# Altium PCB MiniPC.PcbDoc (part 19 of 23) (continued)
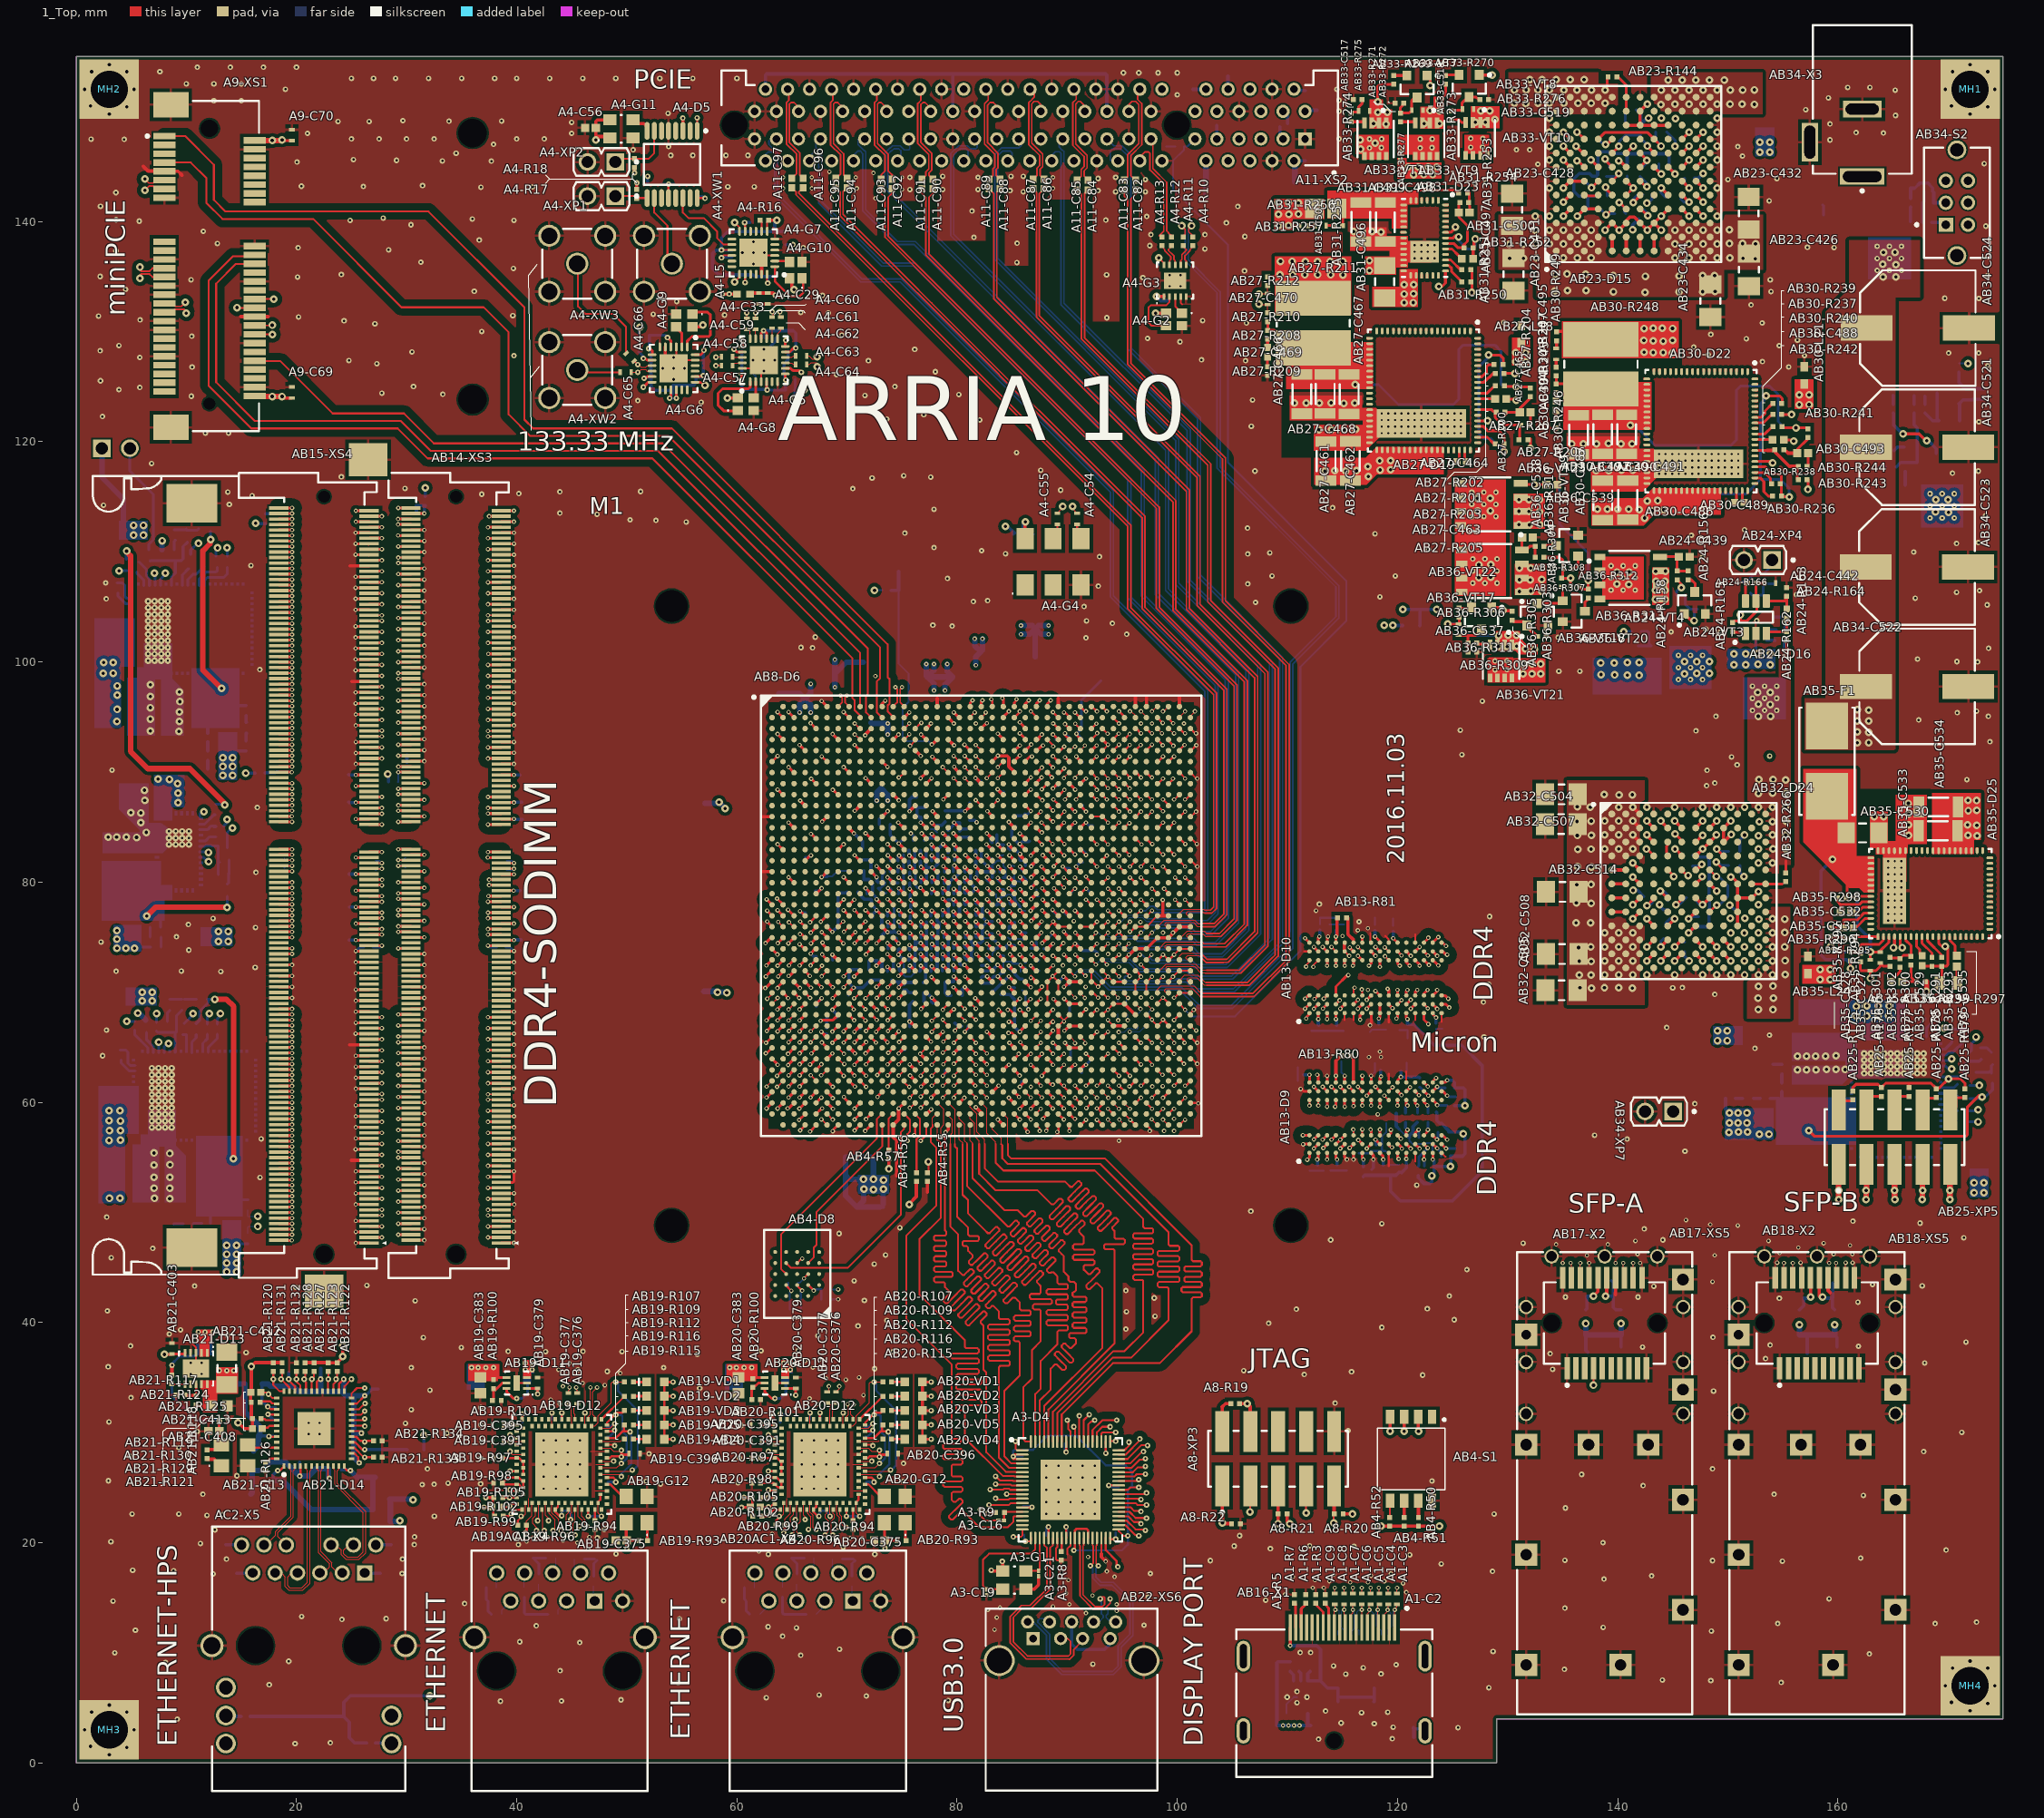
[diagram p0: 1_Top view]
## Nets (pads, with @x,y where several pads share a name; then routed paths per layer and width w, separated by ;. In a path a pad name is that pad's centre, name@x,y a point inside that pad or via, vN(x,y) a via of type N, cw(c..) or ccw(c..) an arc to the next point about the centre after c; other vN are vias at no path point) (continued)
  16_Bottom w0.2: v3(85.1,27.825) 85.1,28.325 85.2,28.425 86.9,28.425 88.2,29.725 90.8,29.725 93.5,27.025 95.3,27.025 95.9,26.425 95.9,25.025 ; v3@85.2,27.825 A3-C28.1@85.94,27.825 ; v3(90.6,19.3) 94.975,19.3 95.5,19.825 v3(95.5,20.625) 95.5,24.825 95.7,25.025 95.9,25.025 ; v3(96.5,25.025) 95.9,25.025
NetA3-D4_27: A3-D4.27 A3-R8.1 | length 1.2
  1_Top w0.2: A3-R8.1@89.5,19.225 A3-D4.27@89.5,20.425
NetA4-C30_1: A4-C30.1 A4-C34.1 A4-C39.1 A4-C43.1 A4-C47.1 A4-C51.1 A4-G5.4 A4-G5.7 A4-G5.11 A4-G5.15 A4-G5.16 A4-G5.20 A4-G5.24 A4-L1.1 | length 24.1
  1_Top w0.25: v3(59.741,128.391) 59.759,128.391 60,128.15 A4-G5.20@60.5,128.15 ; v3(60.45,125.6) 60.45,126.1 A4-G5.24@60.5,126.15 ; A4-G5.16@62.2,129.35 62.2,129.85 v3@62.45,130.1 ; v3(62.425,130.075) v3@62.45,130.1 ; A4-G5.4@62.7,125.45 62.7,124.75 v3(62.75,124.7) ; A4-G5.15@62.7,129.35 62.7,129.85 v3@62.45,130.1 ; A4-G5.7@64.4,126.15 64.4,125.65 v3(64.45,125.6) ; A4-G5.11@64.4,128.15 64.8,128.15 65.15,128.5 v3(65.35,128.5)
  16_Bottom w0.25: v3@59.75,128.4 59.95,128.2 A4-C43.1@60.45,128.2 ; v3(60.45,125.6) 60.5,125.65 A4-C47.1@60.5,126.15 ; v3@62.35,130.1 62.55,129.9 A4-C39.1@62.55,129.4 ; A4-C51.1@62.7,125.45 62.7,124.75 v3(62.75,124.7) ; v3@62.85,124.7 A4-L1.1@64.4,124.7 ; A4-C34.1@64.3,126.25 64.3,125.75 v3(64.45,125.6) ; A4-C30.1@64.65,128.2 64.95,128.2 v3@65.25,128.5
  16_Bottom w0.3: v3(60.45,125.6) 60.45,124.75 v3@62.7,124.75 ; A4-C43.1@60.45,128.2 60.45,126.2 A4-C47.1@60.5,126.15 ; v3(62.425,130.075) 65.075,130.075 65.1,130.1 65.35,129.85 v3(65.35,128.5) ; A4-C34.1@64.3,126.25 64.3,127.1 64.65,127.45 A4-C30.1@64.65,128.2 ; A4-L1.1@64.4,124.7 64.4,125.55 v3(64.45,125.6)
NetA4-C31_1: A4-C31.1 A4-C35.1 A4-C40.1 A4-C44.1 A4-C48.1 A4-C52.1 A4-G6.4 A4-G6.7 A4-G6.11 A4-G6.15 A4-G6.16 A4-G6.20 A4-G6.24 A4-L2.1 | length 24.3
  1_Top w0.25: v3(51.56,125.752) 51.56,125.69 51.6,125.65 51.85,125.9 A4-G6.11@52.3,125.9 ; v3(52,128.45) 52.1,128.45 52.3,128.25 A4-G6.7@52.3,127.9 ; v3(53.7,129.45) 54,129.15 A4-G6.4@54,128.6 ; v3(53.9,123.95) 54,124.05 A4-G6.15@54,124.7 ; v3@54.5,124.05 A4-G6.16@54.5,124.7 ; A4-G6.20@56.2,125.9 56.95,125.9 v3(56.95,126) ; A4-G6.24@56.2,127.9 56.725,127.9 57,128.175 v3(57,128.3)
  1_Top w0.3: v3@54.5,123.95 v3@54.5,124.05
  16_Bottom w0.25: v3@51.5,125.75 51.6,125.85 A4-C52.1@52.2,125.85 ; A4-C48.1@52.2,127.55 52.2,128.25 v3(52,128.45) 52.05,128.5 A4-L2.1@52.05,129.65 53.5,129.65 v3(53.7,129.45) 54,129.15 A4-C44.1@54,128.75 ; v3@53.8,123.95 54.2,124.35 54.2,124.65 ; v3(53.9,123.95) v3(54.5,123.95) ; A4-C35.1@56.3,125.85 56.8,125.85 v3@56.9,125.95 ; A4-C40.1@56.5,127.85 56.95,127.85
  16_Bottom w0.3: A4-C48.1@52.2,127.55 A4-C52.1@52.2,125.85 52.2,125 52.55,124.65 54.2,124.65 54.2,125.1 56.05,125.1 56.3,125.35 A4-C35.1@56.3,125.85 ; v3(56.95,126) 56.95,127.85 56.95,128.25 v3(57,128.3)
NetA4-C37_2: A4-C37.2 A4-C42.2 A4-G4.6 A4-L4.1 | length 4.8
  1_Top w0.3: A4-G4.6@86.17,111.2 86.17,112.67 v2(86.2,112.7)
  16_Bottom w0.3: v2(86.2,112.7) 86,112.7 85.989,112.689 A4-L4.1@85.989,111.6 ; A4-C37.2@86.36,110.7 85.989,111.07 A4-L4.1@85.989,111.6 ; A4-C42.2@86.91,111.6 A4-L4.1@85.989,111.6
NetA4-C38_2: A4-C38.2 A4-C41.2 A4-C46.2 A4-C50.2 A4-C53.2 A4-G7.7 A4-G7.15 A4-G7.24 A4-L3.1 A4-R16.1 | length 21.9
  1_Top w0.17: v3(58.6,137.4) A4-G7.15@59.545,137.4 ; A4-G7.24@62.745,135.2 62.745,134.455 v3(62.8,134.4) ; A4-G7.7@62.745,139.1 62.745,139.945 A4-R16.1@62.9,140.1
  1_Top w0.3: A4-R16.1@62.9,140.1 v2(63.625,140.1)
  16_Bottom w0.3: v3@58.6,137.3 58.7,137.4 A4-C50.2@59.6,137.4 ; v3(62.8,134.4) A4-C41.2@62.8,135 ; A4-C53.2@63.6,135 A4-C41.2@62.8,135 ; v2(63.625,140.1) 63.445,139.92 A4-C46.2@63.445,139.075 ; A4-L3.1@64.445,139.075 A4-C46.2@63.445,139.075 ; A4-C41.2@62.8,135 61.6,135 61.45,135.15 58.35,135.15 57.8,135.7 57.8,137.1 58.1,137.4 v3(58.6,137.4) 58.6,138.5 59.175,139.075 A4-C38.2@62.645,139.075 A4-C46.2@63.445,139.075
NetA4-C45_2: A4-C45.2 A4-C49.2 A4-G7.11 A4-G7.16 A4-G7.20 A4-L5.1 | length 5.4
  1_Top w0.17: v3(58.6,136.699) 58.801,136.9 A4-G7.16@59.545,136.9 ; v3(60.7,139.9) 60.745,139.855 A4-G7.11@60.745,139.1 ; v3(60.745,134.455) A4-G7.20@60.745,135.2
  1_Top w0.3: v3(58.7,133.4) v3(59.3,133.4) A4-L5.1@60,133.4
  16_Bottom w0.3: v3(58.6,136.699) 58.676,136.775 A4-C45.2@59.545,136.775 ; v3@60.7,134.5 v3(60.745,134.455) ; v3(60.7,139.9) A4-C49.2@61.175,139.9
NetA4-C65_2: A4-C65.2 A4-XW2.1 | length 4.6
  1_Top w0.17: A4-XW2.1@45,126.8 45.5,126.3 A4-C65.2@49.4,126.3
NetA4-C66_2: A4-C66.2 A4-XW3.1 | length 11.4
  1_Top w0.17: A4-XW3.1@45.5,136.16 45.575,136.085 45.575,132.275 46.25,131.6 48.75,131.6 49.946,130.404 A4-C66.2@49.946,128.029
NetA4-C68_2: A4-C68.2 A4-D5.12 A4-L6.1 | length 2.5
  1_Top w0.2: A4-D5.12@53.795,142.126 53.795,143.395 v3(53.8,143.4)
  16_Bottom w0.2: A4-L6.1@53.1,143.4 v3(53.8,143.4) A4-C68.2@54.3,143.4
NetA4-D5_1: A4-D5.1 AB8-D6.G15 | length 90.1
  1_Top w0.17: v3(56.388,149.403) 56.395,149.395 A4-D5.1@56.395,148.226
  1_Top w0.25: v6(76.683,89.428) AB8-D6.G15@77.194,89.939
  10_int9_(sign) w0.1: v3(56.388,149.403) 56.693,149.403 57.175,148.92 57.175,145.085 54.635,142.545 52.299,142.545 49.86,140.106 49.86,123.393 50.643,122.61 63.228,122.61 67.626,118.212 69.164,118.212 72.034,115.341 73.939,115.341 80.035,109.245 80.035,102.768 79.604,102.337 79.604,97.13 79.146,96.672 79.146,91.892 v6(76.683,89.428)
NetA4-D5_7: A4-D5.7 A4-R18.2 A4-XP2.1 | length 5.9
  1_Top w0.17: A4-XP2.1@48.97,145.4 49.27,145.7 A4-R18.2@50.7,145.7 52,145.7 52.495,146.195 A4-D5.7@52.495,148.226
NetA4-D5_8: A4-D5.8 A4-G11.3 | length 2
  1_Top w0.3: A4-G11.3@50.321,148.875 51.55,148.875 51.845,148.58 A4-D5.8@51.845,148.226
NetA4-D5_9: A4-D5.9 A4-R17.2 A4-XP1.1 | length 3
  1_Top w0.17: A4-XP1.1@48.97,142.3 50.7,142.3 A4-R17.2@50.9,142.1 50.926,142.126 A4-D5.9@51.845,142.126
NetA4-D5_10: A4-D5.10 A4-XW1.1 | length 6.6
  1_Top w0.17: A4-D5.10@52.495,142.126 52.495,140.805 53.7,139.6 A4-XW1.1@53.7,136
NetA4-D5_14: A4-D5.14 A4-G7.14 | length 7.3
  1_Top w0.17: A4-D5.14@55.095,142.126 55.095,140.805 55.6,140.3 57,140.3 58.2,139.1 58.2,138.5 58.8,137.9 A4-G7.14@59.545,137.9
NetA4-G2_1: A4-G2.1 A4-G3.3 | length 1.8
  1_Top w0.17: A4-G3.3@99.8,133.175 99.8,132.3 A4-G2.1@100.425,131.675
NetA4-G2_3: A4-G2.3 A4-G3.2 | length 5.7
  1_Top w0.17: A4-G2.3@98.975,130.525 97.675,130.525 97.4,130.8 97.4,132.2 97.6,132.4 99,132.4 99.3,132.7 A4-G3.2@99.3,133.175
NetA4-G5_1: A4-G5.1 A4-G8.1 | length 6.4
  1_Top w0.25: A4-G8.1@59.75,122.8 58.8,122.8 58.3,123.3 58.3,124.4 58.7,124.8 61.05,124.8 61.2,124.95 A4-G5.1@61.2,125.45
NetA4-G5_2: A4-G5.2 A4-G8.3 | length 1.4
  1_Top w0.25: A4-G8.3@61.65,124.1 61.7,124.15 A4-G5.2@61.7,125.45
NetA4-G5_8: A4-G5.8 A4-R14.2 | length 2.2
  1_Top w0.25: A4-G5.8@64.4,126.65 64.891,126.65 65.076,126.465 65.685,126.465 v3(65.85,126.3)
  16_Bottom w0.25: A4-R14.2@65.3,126.45 65.7,126.45 v3(65.85,126.3)
NetA4-G6_1: A4-G6.1 A4-G9.1 | length 6.3
  1_Top w0.25: A4-G6.1@55.5,128.6 55.5,129.15 55.9,129.55 57.45,129.55 57.6,129.7 57.6,131.5 57.35,131.75 A4-G9.1@56.1,131.75
NetA4-G6_2: A4-G6.2 A4-G9.3 | length 2
  1_Top w0.25: A4-G9.3@54.5,130.35 55,129.85 A4-G6.2@55,128.6
NetA4-G6_8: A4-G6.8 A4-R15.2 | length 1.6
  1_Top w0.25: v3(51.5,127.55) 51.6,127.65 51.85,127.4 A4-G6.8@52.3,127.4
  16_Bottom w0.25: A4-R15.2@51.1,128.15 51.5,127.75 v3@51.5,127.65
NetA4-G7_1: A4-G7.1 A4-G10.1 | length 5.8
  1_Top w0.2: A4-G7.1@63.445,135.9 63.445,134.562 64.807,133.2 65.7,133.2 66,133.5 A4-G10.1@66,134.7
NetA4-G7_2: A4-G7.2 A4-G10.3 | length 1.4
  1_Top w0.2: A4-G7.2@63.445,136.4 64.7,136.4 A4-G10.3@64.8,136.3
NetA4-G7_8: A4-G7.8 A4-R16.2 | length 1.1
  1_Top w0.17: A4-R16.2@62.1,140.1 62.245,139.955 A4-G7.8@62.245,139.1
NetA8-R19_1: A8-R19.1 A8-XP3.2 | length 3.2
  1_Top w0.3: A8-XP3.2@104.08,30.1 104.08,32.305 104.06,32.325 104.36,32.625 A8-R19.1@104.86,32.625
NetAB2-C311_2: AB2-C311.2 AB2-R24.2 AB8-D6.M16 | length 2.1
  1_Top w0.3: v1(77.7,85.375) 78.136,84.939 AB8-D6.M16@78.194,84.939
  16_Bottom w0.3: v1(77.7,85.375) 77.935,85.14 AB2-C311.2@78.175,85.14 78.59,85.14 AB2-R24.2@78.925,85.475
NetAB2-C316_2: AB2-C316.2 AB2-C319.2 AB2-L7.2 AB8-D6.W18 | length 70.9
  1_Top w0.3: v1(79.675,78.425) 79.708,78.425 AB8-D6.W18@80.194,77.939
  5_int4_(sign) w0.3: v1(79.675,78.425) 79.8,78.425 80.2,78.825 80.2,85.325 80.85,85.975 83.675,85.975 84.525,86.825 84.525,91.475 83.5,92.5 82.7,92.5 80.425,94.775 80.425,100.5 81.505,101.58 116.88,101.58 118.625,103.325 v2(118.775,103.325) v2(119.575,103.325)
  16_Bottom w0.3: AB2-C319.2@79.175,78.41 79.66,78.41 v1(79.675,78.425) 79.69,78.41 AB2-C316.2@79.69,77.925 ; v2(119.575,103.325) 119.6,103.3 AB2-L7.2@120.475,103.3
NetAB2-C317_2: AB2-C317.2 AB2-L8.2 AB8-D6.N18 | length 2.4
  1_Top w0.3: v1(79.675,84.425) 80.161,83.939 AB8-D6.N18@80.194,83.939
  16_Bottom w0.3: v1(79.675,84.425) 80.01,84.09 AB2-C317.2@80.225,84.09 81.11,84.09 AB2-L8.2@81.15,84.05
NetAB2-C318_2: AB2-C318.2 AB2-R25.2 AB8-D6.N16 | length 2.3
  1_Top w0.3: v1(77.7,84.375) 78.136,83.939 AB8-D6.N16@78.194,83.939
  16_Bottom w0.3: AB2-R25.2@77.025,83.8 77.215,83.99 77.615,83.99 ; v1(77.7,84.375) 77.7,84.075 77.615,83.99 ; AB2-C318.2@78.175,83.99 77.615,83.99
NetAB3-C321_2: AB3-C321.2 AB3-R49.2 AB8-D6.AG19 | length 2.2
  1_Top w0.3: v1(80.7,70.467) 80.7,70.433 AB8-D6.AG19@81.194,69.939
  16_Bottom w0.3: AB3-R49.2@80.45,69.7 80.45,70.217 v1(80.7,70.467) 81.107,70.06 AB3-C321.2@81.125,70.06
NetAB3-C322_2: AB3-C322.2 AB3-R45.2 AB3-R48.1 AB8-D6.AF23 | length 3.5
  1_Top w0.3: v1(84.7,71.439) 84.7,71.433 AB8-D6.AF23@85.194,70.939
  16_Bottom w0.3: AB3-R48.1@83.2,70.1 83.325,70.1 84,70.775 84.04,70.775 84.7,71.435 AB3-C322.2@85.2,70.935
NetAB3-C323_2: AB3-C323.2 AB3-R43.1 AB8-D6.P22 | length 2.1
  1_Top w0.3: v1(83.7,83.4) 83.7,83.375 84.136,82.939 AB8-D6.P22@84.194,82.939
  16_Bottom w0.3: AB3-R43.1@83.6,84.3 83.6,83.5 v1(83.7,83.4) 83.71,83.39 AB3-C323.2@84.2,83.39
NetAB3-C324_2: AB3-C324.2 AB3-R38.2 AB3-R39.1 AB8-D6.AF13 | length 3.4
  1_Top w0.3: v1@74.676,70.4 v1(74.705,70.428) 74.705,70.45 AB8-D6.AF13@75.194,70.939
  16_Bottom w0.3: AB3-R38.2@74.05,71.1 74.2,70.95 74.725,70.95 ; v1(74.705,70.428) 74.725,70.449 74.725,70.95 ; AB3-R39.1@75.95,70.875 75.34,70.875 AB3-C324.2@75.175,70.71 74.935,70.95 74.725,70.95
NetAB3-C325_2: AB3-C325.2 AB3-R34.2 AB3-R35.1 AB8-D6.Y11 | length 4.2
  1_Top w0.25: v1(72.694,77.439) AB8-D6.Y11@73.194,76.939
  16_Bottom w0.3: AB3-R34.2@71,79.1 71,79.016 71.566,78.45 72.15,78.45 72.25,78.35 72.25,77.935 AB3-C325.2@72.26,77.925 72.694,77.491 v1(72.694,77.439) 72.35,77.096 AB3-R35.1@72.35,76.825
NetAB3-C326_2: AB3-C326.2 AB3-R30.2 AB3-R31.1 AB8-D6.T10 | length 3.8
  1_Top w0.25: AB8-D6.T10@72.194,80.939 v1(72.694,80.439)
  16_Bottom w0.3: AB3-R30.2@71.4,82.025 72.175,82.025 72.175,80.975 72.694,80.456 v1(72.694,80.439) 72.71,80.423 72.71,80.075 AB3-C326.2@72.825,79.96
NetAB3-C327_2: AB3-C327.2 AB3-R26.2 AB3-R27.2 AB8-D6.M15 | length 3
  1_Top w0.3: v1(76.7,85.4) 76.733,85.4 AB8-D6.M15@77.194,84.939
  16_Bottom w0.3: v1(76.7,85.4) 76.715,85.415 AB3-C327.2@76.715,85.875 76.575,85.875 76.35,86.1 76.35,86.75 AB3-R27.2@77.1,86.75
NetAB3-C328_2: AB3-C328.2 AB3-R47.2 AB8-D6.AE23 | length 2.6
  1_Top w0.3: v1(84.7,72.4) 85.161,71.939 AB8-D6.AE23@85.194,71.939
  16_Bottom w0.3: v1(84.7,72.4) 84.7,72.216 85.081,71.835 AB3-C328.2@85.2,71.835 ; AB3-C328.2@85.24,71.85 85.24,71.635 85.7,71.175 AB3-R47.2@85.9,71.175
NetAB3-C329_2: AB3-C329.2 AB3-R42.2 AB3-R46.1 AB8-D6.P24 | length 4.4
  1_Top w0.3: v1(85.7,83.45) 86.194,82.956 AB8-D6.P24@86.194,82.939
  16_Bottom w0.3: AB3-R42.2@85.325,85.025 84.975,84.675 84.975,84.1 85.625,83.45 v1(85.7,83.45) ; AB3-C329.2@86.2,83.065 86.021,83.065 85.7,83.386 v1(85.7,83.45) ; AB3-R46.1@86.55,83.725 86.5,83.675 85.925,83.675 v1(85.7,83.45)
NetAB3-C330_2: AB3-C330.2 AB3-R40.2 AB3-R41.1 AB8-D6.AH16 | length 3
  1_Top w0.3: v1(77.7,69.5) 78.194,69.006 AB8-D6.AH16@78.194,68.939
  16_Bottom w0.3: AB3-R40.2@77,69.15 77,69.95 77.25,69.95 v1(77.7,69.5) 77.7,69.115 AB3-C330.2@77.815,69
NetAB3-C331_2: AB3-C331.2 AB3-R36.2 AB3-R37.1 AB8-D6.AD11 | length 2.8
  1_Top w0.3: v1(72.679,72.404) 72.679,72.424 AB8-D6.AD11@73.194,72.939
  16_Bottom w0.3: AB3-R36.2@72,72.05 71.975,72.075 71.975,72.8 72.05,72.875 AB3-C331.2@72.715,72.875 72.679,72.839 v1(72.679,72.404)
NetAB3-C332_2: AB3-C332.2 AB3-R32.2 AB3-R33.1 AB8-D6.W11 | length 4.1
  1_Top w0.3: v1(72.7,78.425) 72.708,78.425 AB8-D6.W11@73.194,77.939
  16_Bottom w0.3: AB3-R32.2@71.525,81.025 71.525,80.225 72,80.225 72.31,79.915 AB3-C332.2@72.31,78.925 72.7,78.535 v1(72.7,78.425)
NetAB3-C333_2: AB3-C333.2 AB3-R28.2 AB3-R29.1 AB8-D6.P13 | length 3.4
  1_Top w0.3: v1(74.7,83.5) 75.194,83.006 AB8-D6.P13@75.194,82.939
  16_Bottom w0.3: AB3-R28.2@73.925,85.225 73.925,84.3 73.925,84.275 v1(74.7,83.5) 74.99,83.79 AB3-C333.2@75.175,83.79
NetAB3-C334_2: AB3-C334.2 AB3-D7.6 AB3-R44.2 AB8-D6.D16 | length 19.9
  1_Top w0.3: v1(77.7,92.5) 77.755,92.5 AB8-D6.D16@78.194,92.939
  16_Bottom w0.17: AB3-C334.2@74.7,106.5 74.7,99.825 75.6,98.925 75.6,96.375 75.075,95.85 75.075,93.125 75.4,92.8 77.4,92.8 v1(77.7,92.5)
  16_Bottom w0.3: AB3-R44.2@74,106.5 AB3-C334.2@74.7,106.5 74.685,106.515 AB3-D7.6@74.685,108.2
NetAB4-D8_B2: AB4-D8.B2 AB4-R53.1 AB4-R54.2 | length 2.3
  1_Top w0.2: AB4-D8.B2@66.475,43.4 v1(66.975,42.9)
  16_Bottom w0.2: v1(66.975,42.9) 67.075,43 67.65,43 AB4-R54.2@67.65,42.1
NetAB4-D8_C2: AB4-D8.C2 AB4-R58.2 AB8-D6.AU14 | length 22.3
  1_Top w0.17: v1(66.1,44) 66.1,44.025 AB4-D8.C2@66.475,44.4 ; v1(75.7,59.5) 75.755,59.5 AB8-D6.AU14@76.194,59.939
  7_int6_(sign) w0.15: v1@66.1,43.9 v1(66.1,44) 66.2,44.1 67.6,44.1 74.7,51.2 74.7,57.2 75.7,58.2 v1(75.7,59.5)
  16_Bottom w0.17: AB4-R58.2@65.55,43.6 65.7,43.6 v1(66.1,44)
NetAB4-D8_C4: AB4-D8.C4 AB8-D6.AV11 | length 18.5
  1_Top w0.17: AB4-D8.C4@64.475,44.4 64,44.875 64,48 72.7,56.7 72.7,58.445 AB8-D6.AV11@73.194,58.939
NetAB4-D8_D2: AB4-D8.D2 AB8-D6.AW11 | length 15.3
  1_Top w0.17: AB4-D8.D2@66.475,45.4 66.975,45.9 66.975,46.775 67.225,47.025 67.225,50.025 73.194,55.994 AB8-D6.AW11@73.194,57.939
NetAB4-D8_D3: AB4-D8.D3 AB8-D6.AP13 | length 23.3
  1_Top w0.17: AB4-D8.D3@65.475,45.4 65.875,45.8 v1(65.938,45.8) ; v1(74.7,62.425) 75.194,62.919 AB8-D6.AP13@75.194,62.939
  7_int6_(sign) w0.15: v1(65.938,45.8) 68.2,45.8 74.4,52 74.4,57.615 75.2,58.415 75.2,61.894 75.194,61.9 75.194,61.931 v1(74.7,62.425)
NetAB4-D8_D4: AB4-D8.D4 AB8-D6.AW13 | length 20.9
  1_Top w0.17: AB4-D8.D4@64.475,45.4 64.925,44.95 70.05,44.95 74.9,49.8 74.9,57.3 75.194,57.594 AB8-D6.AW13@75.194,57.939
NetAB4-R50_2: AB4-R50.2 AB4-S1.7 | length 1.5
  1_Top w0.3: AB4-S1.7@121.87,23.8 121.9,23.77 AB4-R50.2@121.9,22.3
NetAB4-R51_2: AB4-R51.2 AB4-S1.6 | length 1.5
  1_Top w0.3: AB4-R51.2@120.6,22.3 AB4-S1.6@120.6,23.8
NetAB4-R52_2: AB4-R52.2 AB4-S1.5 | length 1.5
  1_Top w0.17: AB4-R52.2@119.3,22.3 119.3,23.77 AB4-S1.5@119.33,23.8
NetAB4-R53_2: AB4-R53.2 AB8-D6.AN14 | length 26.8
  1_Top w0.17: AB8-D6.AN14@76.194,63.939 76.261,63.939 v1(76.7,63.5)
  7_int6_(sign) w0.15: v1(69.2,43) 69.353,43.153 69.353,44.2 74.953,49.8 76.3,49.8 76.4,49.9 76.4,52.6 75.069,53.931 75.069,56.814 76.194,57.939 76.194,62.939 76.7,63.445 v1(76.7,63.5)
  16_Bottom w0.17: AB4-R53.2@68.55,43 v1(69.2,43)
NetAB4-R55_2: AB4-R55.2 AB8-D6.AT14 | length 8.2
  1_Top w0.17: v1(75.7,60.4) 75.9,60.6 75.9,60.645 AB8-D6.AT14@76.194,60.939 ; AB4-R55.2@77.3,53.7 77.4,53.8 v2(77.4,54.6)
  5_int4_(sign) w0.15: v1(75.7,60.4) 76.2,59.9 76.2,58.933 77.175,57.958 77.175,54.925 77.4,54.7 v2(77.4,54.6)
NetAB4-R56_2: AB4-R56.2 AB8-D6.AV14 | length 5.6
  1_Top w0.17: AB8-D6.AV14@76.194,58.939 76.619,58.514 76.619,56.949 76.605,56.949 76.315,56.659 76.315,53.665 AB4-R56.2@76.3,53.65
NetAB4-R57_2: AB4-R57.2 AB8-D6.AV12 | length 3.5
  1_Top w0.17: AB4-R57.2@73.825,55.625 73.769,55.681 73.769,58.514 AB8-D6.AV12@74.194,58.939
NetAB4-S1_2: AB4-S1.2 AB8-D6.AU15 | length 120.6
  1_Top w0.17: v1(76.7,59.5) 77.139,59.939 AB8-D6.AU15@77.194,59.939
  1_Top w0.3: AB4-S1.2@121.87,31.42 121.87,30.13 v2(121.9,30.1)
  7_int6_(sign) w0.15: v1(76.7,59.5) 76.7,58 77.3,57.4 77.3,55.829 76.7,55.229 76.7,39.2 80.9,35 80.9,4.9 82.8,3 100.5,3 103.8,6.3 103.8,13.8 107.8,17.8 117,17.8 121.9,22.7 v2(121.9,30.1)
NetAB4-S1_3: AB4-S1.3 AB8-D6.AP15 | length 119.3
  1_Top w0.17: v1(76.7,62.4) 76.7,62.445 AB8-D6.AP15@77.194,62.939
  1_Top w0.3: v2(120.6,30.1) AB4-S1.3@120.6,31.42
  10_int9_(sign) w0.15: v1(76.7,62.4) 76.733,62.4 77.194,61.939 77.194,55.994 76.4,55.2 76.4,38 80.2,34.2 80.2,6.7 83.2,3.7 100.4,3.7 103.4,6.7 103.4,14 105.5,16.1 110.9,16.1 120.6,25.8 v2(120.6,30.1)
NetAB4-S1_4: AB4-S1.4 AB8-D6.AT15 | length 118.4
  1_Top w0.17: v1(76.7,60.5) 77.139,60.939 AB8-D6.AT15@77.194,60.939
  1_Top w0.3: v2(119.33,30.13) AB4-S1.4@119.33,31.42
  7_int6_(sign) w0.15: v1(76.7,60.5) 77.2,60 77.2,58.1 77.7,57.6 77.7,55.5 78.4,54.8 78.4,38.7 81.5,35.6 81.5,5.4 83.4,3.5 100.2,3.5 103.2,6.5 103.2,14 107.5,18.3 116.5,18.3 119.4,21.2 119.4,30.06 v2(119.33,30.13)
NetAB7-R63_2: AB7-R63.2 AB8-D6.AH7 | length 1.6
  1_Top w0.25: v1(68.675,68.4) 68.675,68.42 AB8-D6.AH7@69.194,68.939
  16_Bottom w0.3: v1(68.675,68.4) 69.05,68.025 AB7-R63.2@69.05,67.675
NetAB13-D9_F9: AB13-D9.F9 AB13-R80.1 | length 2.5
  1_Top w0.3: AB13-R80.1@115.791,64.211 116,64.003 AB13-D9.F9@116,61.8
NetAB13-D10_F9: AB13-D10.F9 AB13-R81.1 | length 2.6
  1_Top w0.3: AB13-R81.1@115.403,76.759 115.5,76.759 115.5,75.254 116,74.754 AB13-D10.F9@116,74.5
NetAB14-C356_2: AB14-C356.2 AB14-R84.2 AB14-R85.2 AB14-XS3.164 | length 3.6
  1_Top w0.25: v1(29.25,89.975) AB14-XS3.164@30.4,89.975
  16_Bottom w0.17: AB14-R85.2@29.225,89.1 29.25,89.125 v1(29.25,89.975) 29.325,89.9 AB14-C356.2@30.025,89.9 30.1,89.975 AB14-R84.2@30.8,89.975
NetAB14-C361_1: AB14-C361.1 AB14-R86.2 AB14-R87.2 AB14-XS3.258 | length 3.4
  1_Top w0.25: AB14-XS3.258@30.4,113.475 v1(31.602,113.475)
  16_Bottom w0.3: AB14-C361.1@30.9,113.5 30.9,114.175 30.925,114.2 31.675,114.2 31.7,114.175 31.602,114.077 v1(31.602,113.475)
NetAB15-C363_1: AB15-C363.1 AB15-R89.2 AB15-R90.2 AB15-XS4.164 | length 3.6
  1_Top w0.25: AB15-XS4.164@18.4,89.975 v1(19.572,89.975)
  16_Bottom w0.3: AB15-R90.2@17.15,89.9 17.175,89.925 18.071,89.925 18.146,90 AB15-C363.1@18.87,90 18.895,89.975 v1(19.572,89.975)
NetAB15-C368_1: AB15-C368.1 AB15-R91.2 AB15-R92.2 AB15-XS4.258 | length 3.6
  1_Top w0.25: AB15-XS4.258@18.4,113.475 v1(19.602,113.475)
  16_Bottom w0.3: AB15-R92.2@17.2,113.45 18.07,113.45 18.12,113.5 AB15-C368.1@18.87,113.5 19.577,113.5 v1(19.602,113.475)
NetAB19-C387_1: AB19-C387.1 AB19-R103.2 AB19-R104.2 | length 2.5
  16_Bottom w0.25: AB19-R104.2@46.15,18.5 AB19-C387.1@47.1,18.5 ; AB19-R103.2@47,16.95 47,18.1 AB19-C387.1@47.3,18.4
NetAB19-C394_1: AB19-C394.1 AB19-R106.2 AB19-R108.2 | length 2.7
  16_Bottom w0.25: AB19-C394.1@41.5,18.6 AB19-C394.1@41.59,18.6 AB19-R106.2@42.65,18.6 ; AB19-C394.1@41.6,18.5 42,18.1 AB19-R108.2@42,17.15
NetAB19-C399_1: AB19-C399.1 AB19-R110.2 AB19-R111.2 | length 3.5
  16_Bottom w0.25: AB19-C399.1@40.7,13.6 40.8,13.5 AB19-R110.2@42.85,13.5 ; AB19-C399.1@40.7,13.7 AB19-R111.2@40.7,15.05
NetAB19-C400_1: AB19-C400.1 AB19-R113.2 AB19-R114.2 | length 2.4
  16_Bottom w0.25: AB19-R114.2@37.25,15.9 37.25,14.85 AB19-C400.1@37.3,14.8 ; AB19-C400.1@37.39,14.7 37.39,13.81 AB19-R113.2@37.7,13.5
NetAB19-D11_5: AB19-D11.5 AB19-R100.1 AB19-R101.2 | length 2.5
  1_Top w0.25: AB19-R101.2@37.7,32.9 37.9,33.1 37.9,33.9 38.1,33.9 38.7,34.5 AB19-D11.5@39.075,34.5
NetAB19-D12_A6: AB19-D12.A6 AB19-D12.B6 AB19-D12.B7 AB19-D12.B8 AB19-R97.2 | length 3.3
  1_Top w0.2: AB19-R97.2@38.7,27.6 38.8,27.7 AB19-D12.A6@40,27.7 40.2,27.7 40.45,27.45 40.6,27.45 AB19-D12.B6@40.6,27.4 AB19-D12.B7@40.6,26.8 AB19-D12.B8@40.6,26.2
NetAB19-D12_A9: AB19-D12.A9 AB19-D12.A10 AB19-D12.B9 AB19-D12.B10 AB19-R98.2 | length 4.5
  1_Top w0.2: AB19-R98.2@38.8,25.4 38.9,25.3 AB19-D12.A10@40,25.3 40.175,25.3 40.475,25 AB19-D12.B10@40.6,25 ; AB19-R98.2@38.9,25.6 39.2,25.9 AB19-D12.A9@40,25.9 40.2,25.9 40.5,25.6 AB19-D12.B9@40.6,25.6 AB19-D12.B10@40.6,25.05
NetAB19-D12_A25: AB19-D12.A25 AB19-R94.1 | length 1
  1_Top w0.2: AB19-R94.1@47.1,22 AB19-D12.A25@47.1,23
NetAB19-D12_A30: AB19-D12.A30 AB19-G12.3 | length 2.2
  1_Top w0.2: AB19-D12.A30@48.2,25.3 48.5,25.3 49.6,24.2 AB19-G12.3@49.9,24.2
NetAB19-D12_A32: AB19-D12.A32 AB19-D12.B35 AB19-R107.2 | length 17.4
  1_Top w0.1: AB19-D12.B35@46.8,30.6 47.1,30.6 47.4,30.9 47.4,31.5 48.6,32.7 48.6,34.5 48.7,34.6 v3(49,34.6) AB19-R107.2@49.7,34.6 ; AB19-D12.A32@48.2,26.5 50.5,26.5 v3(50.5,26.6)
  16_Bottom w0.2: v3@49.2,34.6 49.2,33.8 50.5,32.5 51,32 51,27 50.6,26.6 v3(50.5,26.6)
NetAB19-D12_A37: AB19-D12.A37 AB19-D12.B27 AB19-R116.2 | length 9.7
  1_Top w0.1: AB19-D12.B27@47.6,26.2 49.3,26.2 v3(49.5,26)
  1_Top w0.2: AB19-D12.A37@48.2,29.5 49,29.5 49.258,29.758 49.6,30.1 ; AB19-R116.2@49.75,30.7 49.75,30.15 49.8,30.1 ; v3(50.3,30.075) 50.225,30 50.2,30 50.1,30.1 49.8,30.1 ; 49.6,30.1 49.8,30.1 ; 49.6,30.1 49.8,30.1
  16_Bottom w0.2: v3(49.5,26) 49.5,26.236 50.4,27.136 50.4,29.8 50.3,29.9 v3(50.3,30.075)
NetAB19-D12_A39: AB19-D12.A39 AB19-D12.B28 AB19-R112.2 | length 9.9
  1_Top w0.1: AB19-D12.B28@47.6,26.8 49.1,26.8 49.4,27.1 49.5,27.1 49.4,27.2 v3(49.5,27.2)
  1_Top w0.2: AB19-D12.A39@48.2,30.7 48.3,30.7 48.2,30.8 48.2,30.9 v3@48.95,31.65 ; v3(49,31.6) 49,31.8 49.6,31.8 AB19-R112.2@49.7,31.9
  16_Bottom w0.2: v3(49,31.6) 49.5,31.6 49.6,31.5 49.6,30.1 50,29.7 50,27.664 49.536,27.2 v3(49.5,27.2)
NetAB19-D12_A40: AB19-D12.A40 AB19-R109.2 | length 2.9
  1_Top w0.2: AB19-D12.A40@47.7,31.2 49.7,33.2 AB19-R109.2@49.7,33.3
NetAB19-D12_B14: AB19-D12.B14 AB19-R95.1 | length 2.8
  1_Top w0.1: v3(41.9,22) 41.9,22.1 42,22.2 AB19-D12.B14@42,23.6
  16_Bottom w0.15: v3(41.9,22) 42,22.1 AB19-R95.1@42,23.15
NetAB19-D12_B32: AB19-D12.B32 AB19-R115.2 | length 1.9
  1_Top w0.1: AB19-D12.B32@47.6,29.2 49.4,29.2 49.5,29.3
NetAB19-G12_1: AB19-G12.1 AB19-R93.2 | length 1.7
  1_Top w0.25: AB19-R93.2@51.8,20.1 51.85,20.15 AB19-G12.1@51.85,21.8
NetAB19-R107_1: AB19-R107.1 AB19-VD1.1 | length 1
  1_Top w0.25: AB19-R107.1@50.65,34.6 AB19-VD1.1@51.6,34.6
NetAB19-R109_1: AB19-R109.1 AB19-VD2.1 | length 1.2
  1_Top w0.25: AB19-R109.1@50.65,33.3 AB19-VD2.1@51.8,33.3
NetAB19-R112_1: AB19-R112.1 AB19-VD3.1 | length 1
  1_Top w0.2: AB19-R112.1@50.65,32 AB19-VD3.1@51.6,32
NetAB19-R115_1: AB19-R115.1 AB19-VD4.1 | length 1
  1_Top w0.2: AB19-R115.1@50.65,29.4 AB19-VD4.1@51.6,29.4
NetAB19-R116_1: AB19-R116.1 AB19-VD5.1 | length 1.3
  1_Top w0.2: AB19-R116.1@50.65,30.7 AB19-VD5.1@51.8,30.7 AB19-VD5.1@51.9,30.7
NetAB20-C387_1: AB20-C387.1 AB20-R103.2 AB20-R104.2 | length 2.5
  16_Bottom w0.25: AB20-R104.2@69.6,18.5 AB20-C387.1@70.55,18.5 ; AB20-R103.2@70.45,16.95 70.45,18.1 AB20-C387.1@70.75,18.4
NetAB20-C394_1: AB20-C394.1 AB20-R106.2 AB20-R108.2 | length 2.7
  16_Bottom w0.25: AB20-C394.1@64.95,18.6 AB20-C394.1@65.04,18.6 AB20-R106.2@66.1,18.6 ; AB20-C394.1@65.05,18.5 65.45,18.1 AB20-R108.2@65.45,17.15
NetAB20-C399_1: AB20-C399.1 AB20-R110.2 AB20-R111.2 | length 3.5
  16_Bottom w0.25: AB20-C399.1@64.15,13.6 64.25,13.5 AB20-R110.2@66.3,13.5 ; AB20-C399.1@64.15,13.7 AB20-R111.2@64.15,15.05
NetAB20-C400_1: AB20-C400.1 AB20-R113.2 AB20-R114.2 | length 2.4
  16_Bottom w0.25: AB20-R114.2@60.7,15.9 60.7,14.85 AB20-C400.1@60.75,14.8 ; AB20-C400.1@60.84,14.7 60.84,13.81 AB20-R113.2@61.15,13.5
NetAB20-D11_5: AB20-D11.5 AB20-R100.1 AB20-R101.2 | length 2.3
  1_Top w0.25: AB20-R101.2@61.35,32.9 61.35,33.9 AB20-R100.1@61.45,34 ; AB20-R100.1@61.55,34.1 61.95,34.5 AB20-D11.5@62.525,34.5
NetAB20-D12_A6: AB20-D12.A6 AB20-D12.B6 AB20-D12.B7 AB20-D12.B8 AB20-R97.2 | length 3.3
  1_Top w0.2: AB20-R97.2@62.15,27.6 62.25,27.7 AB20-D12.A6@63.45,27.7 63.65,27.7 63.9,27.45 64.05,27.45 AB20-D12.B6@64.05,27.4 AB20-D12.B7@64.05,26.8 AB20-D12.B8@64.05,26.2
NetAB20-D12_A9: AB20-D12.A9 AB20-D12.A10 AB20-D12.B9 AB20-D12.B10 AB20-R98.2 | length 4.5
  1_Top w0.2: AB20-R98.2@62.25,25.4 63.35,25.4 AB20-D12.A10@63.45,25.3 63.7,25.05 63.733,25.05 63.783,25 AB20-D12.B10@64.05,25 ; AB20-R98.2@62.35,25.6 62.65,25.9 AB20-D12.A9@63.45,25.9 63.65,25.9 63.95,25.6 AB20-D12.B9@64.05,25.6 AB20-D12.B10@64.05,25.05
NetAB20-D12_A25: AB20-D12.A25 AB20-R94.1 | length 1
  1_Top w0.2: AB20-R94.1@70.55,22 AB20-D12.A25@70.55,23
NetAB20-D12_A30: AB20-D12.A30 AB20-G12.3 | length 2.2
  1_Top w0.2: AB20-D12.A30@71.65,25.3 71.95,25.3 73.05,24.2 AB20-G12.3@73.35,24.2
NetAB20-D12_A32: AB20-D12.A32 AB20-D12.B35 AB20-R107.2 | length 17.4
  1_Top w0.1: AB20-D12.B35@70.25,30.6 70.55,30.6 70.85,30.9 70.85,31.5 72.05,32.7 72.05,34.5 72.15,34.6 v3(72.45,34.6) AB20-R107.2@73.15,34.6 ; AB20-D12.A32@71.65,26.5 73.95,26.5 v3(73.95,26.6)
  16_Bottom w0.2: v3@72.65,34.6 72.65,33.8 73.95,32.5 74.45,32 74.45,27 74.05,26.6 v3(73.95,26.6)
NetAB20-D12_A37: AB20-D12.A37 AB20-D12.B27 AB20-R116.2 | length 9.7
  1_Top w0.1: AB20-D12.B27@71.05,26.2 72.75,26.2 v3(72.95,26)
  1_Top w0.2: AB20-D12.A37@71.65,29.5 72.45,29.5 72.708,29.758 73.05,30.1 ; AB20-R116.2@73.2,30.7 73.2,30.15 73.25,30.1 ; v3(73.75,30.075) 73.675,30 73.65,30 73.55,30.1 73.25,30.1 ; 73.05,30.1 73.25,30.1 ; 73.05,30.1 73.25,30.1
  16_Bottom w0.2: v3(72.95,26) 72.95,26.236 73.85,27.136 73.85,29.8 73.75,29.9 v3(73.75,30.075)
NetAB20-D12_A39: AB20-D12.A39 AB20-D12.B28 AB20-R112.2 | length 9.9
  1_Top w0.1: AB20-D12.B28@71.05,26.8 72.55,26.8 72.85,27.1 72.95,27.1 72.85,27.2 v3(72.95,27.2)
  1_Top w0.2: AB20-D12.A39@71.65,30.7 71.75,30.7 71.65,30.8 71.65,30.9 v3@72.4,31.65 ; v3(72.45,31.6) 72.45,31.8 73.05,31.8 AB20-R112.2@73.15,31.9
  16_Bottom w0.2: v3(72.45,31.6) 72.95,31.6 73.05,31.5 73.05,30.1 73.45,29.7 73.45,27.664 72.986,27.2 v3(72.95,27.2)
NetAB20-D12_A40: AB20-D12.A40 AB20-R109.2 | length 2.9
  1_Top w0.2: AB20-D12.A40@71.15,31.2 73.15,33.2 AB20-R109.2@73.15,33.3
NetAB20-D12_B14: AB20-D12.B14 AB20-R95.1 | length 2.4
  1_Top w0.1: v3@65.3,22.25 v3(65.3,22.1) 65.45,22.25 AB20-D12.B14@65.45,23.6
  16_Bottom w0.15: v3(65.3,22.1) 65.4,22.2 AB20-R95.1@65.4,22.65 ; v3@65.4,21.95 v3@65.45,22
NetAB20-D12_B32: AB20-D12.B32 AB20-R115.2 | length 1.9
  1_Top w0.1: AB20-D12.B32@71.05,29.2 72.85,29.2 72.95,29.3
NetAB20-G12_1: AB20-G12.1 AB20-R93.2 | length 1.7
  1_Top w0.25: AB20-R93.2@75.25,20.1 75.3,20.15 AB20-G12.1@75.3,21.8
NetAB20-R107_1: AB20-R107.1 AB20-VD1.1 | length 1.3
  1_Top w0.2: AB20-R107.1@74.1,34.6 AB20-VD1.1@75.35,34.6
NetAB20-R109_1: AB20-R109.1 AB20-VD2.1 | length 1
  1_Top w0.2: AB20-R109.1@74.1,33.3 74.95,33.3 AB20-VD2.1@75.05,33.2
NetAB20-R112_1: AB20-R112.1 AB20-VD3.1 | length 1
  1_Top w0.2: AB20-R112.1@74.1,32 AB20-VD3.1@75.05,32
NetAB20-R115_1: AB20-R115.1 AB20-VD4.1 | length 1
  1_Top w0.2: AB20-R115.1@74.1,29.4 AB20-VD4.1@75.05,29.4
NetAB20-R116_1: AB20-R116.1 AB20-VD5.1 | length 1.3
  1_Top w0.2: AB20-R116.1@74.1,30.7 AB20-VD5.1@75.25,30.7 AB20-VD5.1@75.35,30.7
NetAB21-D13_6: AB21-D13.6 AB21-R117.2 | length 1.2
  1_Top w0.2: AB21-R117.2@8.687,34.375 9.847,34.375 AB21-D13.6@9.897,34.425
NetAB21-D13_8: AB21-D13.8 AB21-R124.2 AB21-R125.1 | length 2.1
  1_Top w0.2: AB21-D13.8@10.887,34.4 10.887,33.435 AB21-R125.1@10.897,33.425
  1_Top w0.3: AB21-R124.2@9.797,33.325 9.847,33.375 AB21-R125.1@10.887,33.375
NetAB21-D14_15: AB21-D14.15 AB21-R133.1 AC2-X5.17 | length 45.1
  1_Top w0.2: AB21-D14.15@25.012,28.625 25.24,28.625 26.1,27.765 v3@26.1,27.75 ; v3(26.2,27.75) AB21-R133.1@27,27.75
  7_int6_(sign) w0.15: AC2-X5.17@13.593,1.76 16.76,1.76 21.7,6.7 21.7,12.6 23.8,14.7 28.6,14.7 32,18.1 32,25.6 29.85,27.75 v3(26.2,27.75)
NetAB21-D14_17: AB21-D14.17 AB21-R134.1 AC2-X5.13 | length 34.7
  1_Top w0.2: AB21-D14.17@25.012,29.625 25.424,29.625 25.8,29.25 26.1,29.25 v3(26.2,29.15) 26.3,29.25 AB21-R134.1@27,29.25
  7_int6_(sign) w0.15: v3(26.2,29.15) 30.95,29.15 33.2,26.9 33.2,9.9 28.63,5.33 AC2-X5.13@28.63,4.3
NetAB21-D14_38: AB21-D14.38 AB21-R130.1 | length 1.7
  1_Top w0.2: AB21-R130.1@16.6,32.75 AB21-R130.1@16.7,32.75 16.8,32.85 17.607,32.85 17.807,32.65 18.187,32.65 AB21-D14.38@18.212,32.625
NetAB21-D14_41: AB21-D14.41 AB21-R129.2 | length 1.4
  1_Top w0.2: AB21-R129.2@16.9,31.25 17.109,31.25 17.233,31.125 AB21-D14.41@18.212,31.125
NetAB21-D14_42: AB21-D14.42 AB21-R121.1 | length 1.3
  1_Top w0.2: AB21-R121.1@17,30.45 17.4,30.45 17.576,30.625 AB21-D14.42@18.212,30.625